# Altium PCB PCB v0.4.PcbDoc (part 1 of 2) (continued)
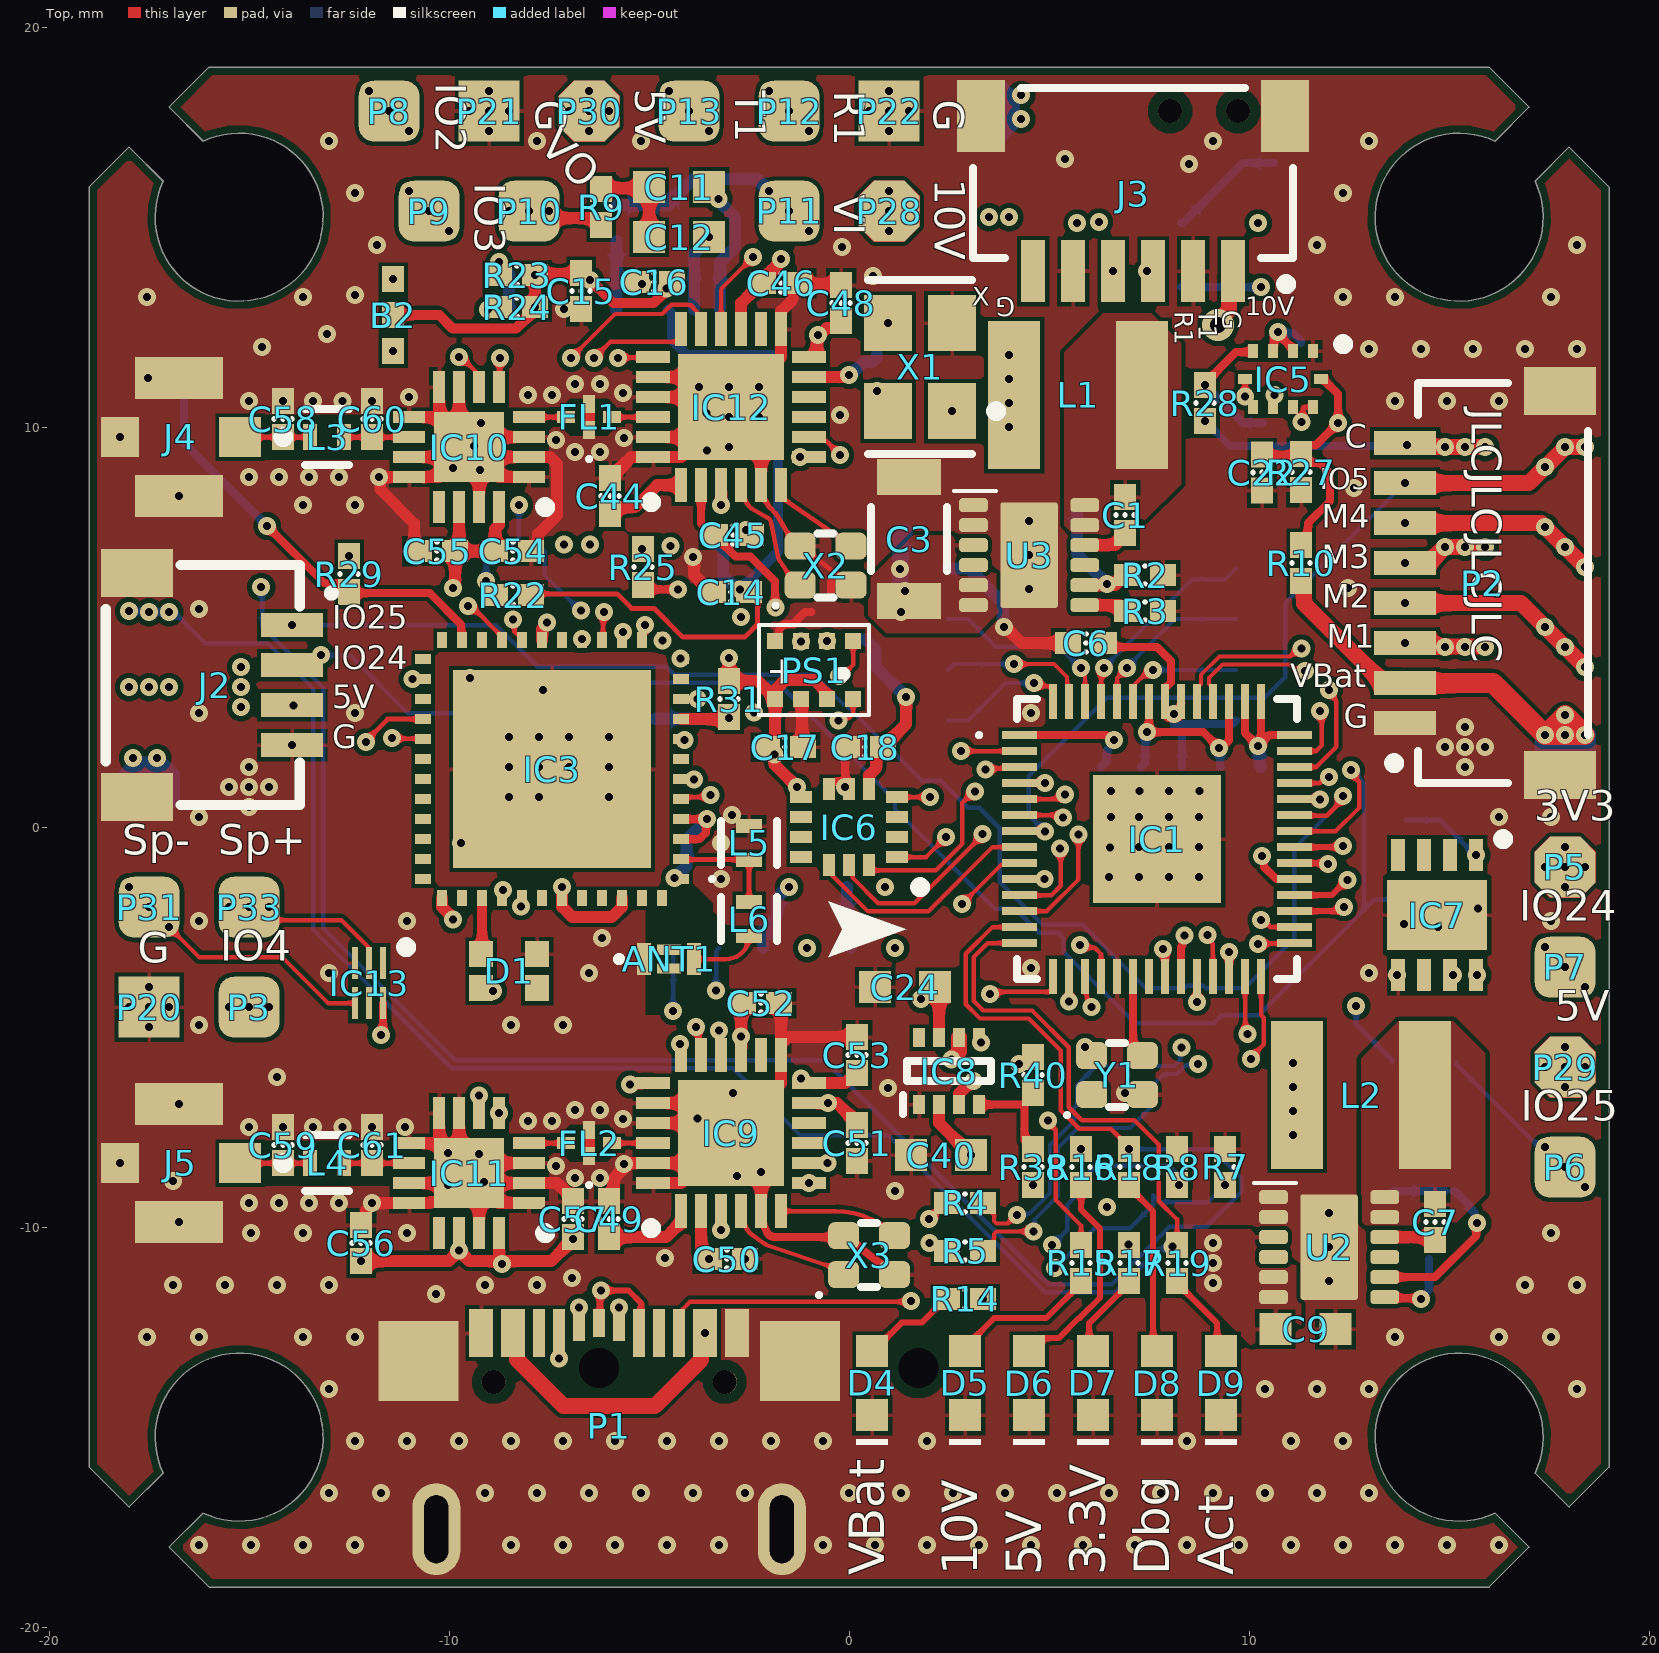
[diagram p0: Top view]
## Components (designator, comment, footprint, x,y, rotation, side; value= is the part's Value field where it differs from the comment) (continued)
P27 "solder pad rounded single sided" "solder pad single sided rounded" 15.4,9.5 r90 bottom
P28 "solder pad chamfered double sided" "solder pad double sided chamfered" 1,15.4 r90 top
P29 "solder pad chamfered double sided" "solder pad double sided chamfered" 17.9,-6 r90 top
P30 "solder pad chamfered double sided" "solder pad double sided chamfered" -6.5,17.9 r90 top
P31 "solder pad rounded double sided" "solder pad double sided rounded - duplicate" -17.5,-2 r270 top
P32 "solder pad chamfered single sided" "solder pad single sided chamfered" 17.9,2 r90 bottom
P33 "solder pad rounded double sided" "solder pad double sided rounded - duplicate" -15,-2 r270 top
P34 "solder pad rounded single sided" "solder pad single sided rounded" -15,6 r180 bottom
P35 "solder pad rounded single sided" "solder pad single sided rounded" 6,15 r90 bottom
P36 "solder pad rounded single sided" "solder pad single sided rounded" -17.5,6 r90 bottom
P37 "solder pad rounded single sided" "solder pad single sided rounded" 3.5,15.4 r90 bottom
PS1 "Pressure Sensor" "Goertek SPL06-001" -1.85,4.65 r0 top
R1 "90K9" "0402 resistor" 5.7,8.5 r90 bottom
R2 "10K" "0402 resistor" 7.4,6.3 r180 top
R3 "21K5" "0402 resistor" 7.4,5.4 r180 top
R4 "27R" "0402 resistor" 2.9,-9.4 r0 top
R5 "27R" "0402 resistor" 2.9,-10.6 r0 top
R6 "10K" RESC0603(1608)_N 10.2,14.3 r90 bottom
R7 "5K1" "0402 resistor" 9.4,-8.5 r270 top
R8 "5K1" "0402 resistor" 8.2,-8.5 r270 top
R9 "75R" "0402 resistor" -6.2,15.5 r90 top
R10 "100K" "0402 resistor" 11.3,6.6 r270 top
R11 "40K2" RESC0603(1608)_N 13.6,-8.3 r90 bottom
R12 "10K" RESC0603(1608)_N 15.1,-8.3 r270 bottom
R13 "22K6" RESC0603(1608)_N 15.3,-10.8 r180 bottom
R14 "15K" "0402 resistor" 2.9,-11.8 r0 top
R15 "8K2" "0402 resistor" 5.8,-10.9 r90 top
R16 "3K3" "0402 resistor" 5.8,-8.5 r90 top
R17 "1K" "0402 resistor" 7,-10.9 r90 top
R18 "470R" "0402 resistor" 7,-8.5 r90 top
R19 "470R" "0402 resistor" 8.2,-10.9 r90 top
R20 "1K" RESC0603(1608)_N 8.3,14.3 r270 bottom
R21 "75R" "0402 resistor" -4.5,15.1 r270 bottom
R22 "1K" "0402 resistor" -8.4,5.8 r0 top
R23 "1K" "0402 resistor" -8.3,13.8 r0 top
R24 "1K" "0402 resistor" -8.3,13 r0 top
R25 "0R" "0402 resistor" -5.15,6.5 r90 top
R26 "4K7" RESC0603(1608)_N 13.925,-0.625 r90 bottom
R27 "10K" "0402 resistor" 11.3,8.875 r90 top
R28 "10K" "0402 resistor" 8.9,10.6 r270 top
R29 "10K" "0402 resistor" -12.5,6.325 r90 top
R30 "4K7" RESC0603(1608)_N 14.375,-5.875 r180 bottom
R31 "1K" "0402 resistor" -3,3.2 r90 top
R38 "47K" "0402 resistor" 4.6,-8.5 r90 top
R40 "47K" "0402 resistor" 4.6,-6.2 r270 top
S1 "Tactile Switch" "Tactile Switch"#1 8.875,16.6 r0 bottom
S2 "Tactile Switch" "Tactile Switch"#2 -16.625,9.7 r270 bottom
U2 "2.5A Step Down QFN synchronous" LMR38025 12,-10.5 r0 top
U3 "2.5A Step Down QFN synchronous" LMR38025 4.5,6.8 r0 top
X1 "NX3225SA-12.000M-STD-CRS-2" FP-NX3225SA-MFG 1.775,11.5 r90 top
X2 "52MHz Crystal" "2016 Crystal" -0.587,6.536 r0 top
X3 "52MHz Crystal" "2016 Crystal" 0.5,-10.7 r0 top
Y1 "2016 Oscillator" "2016 Oscillator" 6.7,-6.2 r0 top

## Footprints (in the part's own frame and the unit in brackets; to place one, negate y for a bottom-side part, rotate by r counter-clockwise, add the part's x,y. Pads: shape width x height; smd on the part's side, far side on the other; paste and mask are expansions set on the pad)
"0402 cap" [mm]
  rect 0.65x0.55 smd: 1(-0.45,0) 2(0.45,0)
  silkscreen extent -0.01,-0.23 0.01,0.23, body extent -0.5,-0.25 0.5,0.25, height 0.35
"0402 resistor" [mm]
  rect 0.65x0.55 smd: 1(-0.45,0) 2(0.45,0)
  silkscreen extent -0.01,-0.23 0.01,0.23, body extent -0.5,-0.25 0.5,0.25, height 0.35
"0402 triple Solderbridge" [mm]
  rect 0.65x0.55 smd: 1(0,0) 2(0.9,0) 3(-0.9,0)
"2016 Crystal" [mm]
  rrect50% 0.775x0.675 smd: 1(-0.637,-0.487) 2(0.637,-0.487) 3(0.637,0.487) 4(-0.637,0.487)
  silkscreen extent -1.3,-1.05 0.2,0.8, body extent -1,-0.8 1,0.8, height 0.99
"2016 Oscillator" [mm]
  rrect50% 0.775x0.675 smd: 1(-0.637,-0.487) 2(0.637,-0.487) 3(0.637,0.487) 4(-0.637,0.487)
  silkscreen extent -1.3,-1.05 0.2,0.8, body extent -1,-0.8 1,0.8, height 0.99
AMPH-A-1JB_V [mm] "SMD, 4-Leads, Body 2.6x2.6mm"
  rect 1.05x1 smd: 1(-1.525,0)
  rect 2.2x1.05 smd: 2(0,-1.475) 4(0,1.475)
  rect 0.95x1 smd: 3(1.475,0)
  silkscreen extent -2.73,-0.12 -2.48,0.12, body extent -1.3,-1.3 1.3,1.3, height 1.35
ANT016008LCS2442MA2 [mm]
  rect 0.35x0.8 smd: 1(-0.625,0) 4(0.625,0)
  rect 0.6x0.26 smd: 2(0,-0.235) 6(0,0.235)
  silkscreen extent -1.3,-0.05 -1.2,0.05, body extent -0.85,-0.45 0.85,0.45, height 0.4
ESP32PICOV3 [mm]
  rect 0.4x0.25 smd: 1(-3.225,2.75) 2(-3.225,2.25) 3(-3.225,1.75) 4(-3.225,1.25) 5(-3.225,0.75) 6(-3.225,0.25) 7(-3.225,-0.25) 8(-3.225,-0.75) 9(-3.225,-1.25) 10(-3.225,-1.75) 11(-3.225,-2.25) 12(-3.225,-2.75) 25(3.225,-2.75) 26(3.225,-2.25) 27(3.225,-1.75) 28(3.225,-1.25) 29(3.225,-0.75) 30(3.225,-0.25) 31(3.225,0.25) 32(3.225,0.75) 33(3.225,1.25) 34(3.225,1.75) 35(3.225,2.25) 36(3.225,2.75)
  rect 0.25x0.4 smd: 13(-2.75,-3.225) 14(-2.25,-3.225) 15(-1.75,-3.225) 16(-1.25,-3.225) 17(-0.75,-3.225) 18(-0.25,-3.225) 19(0.25,-3.225) 20(0.75,-3.225) 21(1.25,-3.225) 22(1.75,-3.225) 23(2.25,-3.225) 24(2.75,-3.225) 37(2.75,3.225) 38(2.25,3.225) 39(1.75,3.225) 40(1.25,3.225) 41(0.75,3.225) 42(0.25,3.225) 43(-0.25,3.225) 44(-0.75,3.225) 45(-1.25,3.225) 46(-1.75,3.225) 47(-2.25,3.225) 48(-2.75,3.225)
  rect 4.95x4.95 smd: 49(0,0)
  silkscreen extent -4.05,2.7 -3.95,2.8, body extent -3.5,-3.5 3.5,3.5, height 0.94
FP-LQW15AN_00-W0_6-0_1-MFG [mm]
  rect 0.35x0.65 smd paste+0 mask+0: 1(-0.425,0) 2(0.425,0)
  silkscreen extent -0.55,-0.7 0.55,0.7, body extent -0.7,-0.45 0.7,0.45, height 0.25
FP-NX3225SA-MFG [mm]
  rect 1.4x1.2 smd paste+0 mask+0: 1(-1.1,-0.8) 2(1.1,-0.8) 3(1.1,0.8) 4(-1.1,0.8)
  silkscreen extent -2.17,-2.02 2.17,1.3, body extent -1.6,-1.25 1.6,1.25, height 0.6
FP-SOT23-MFG [mm]
  rect 0.7x0.6 smd paste-1000 mask+0: 1(-1,0.95) 2(-1,-0.95) 3(1,0)
  silkscreen extent -0.7,-1.5 0.7,1.5, body extent -1.15,-1.45 1.15,1.45, height 1.1
"Goertek SPL06-001" [mm]
  rect 0.4x0.4 smd: 1(0,0) 2(0.65,0) 3(1.3,0) 4(1.95,0) 5(1.95,-1.45) 6(1.3,-1.45) 7(0.65,-1.45) 8(0,-1.45)
  silkscreen extent -0.4,-1.85 2.35,0.4, body extent -0.28,-1.73 2.22,0.28, height 0.95
GT-USB-7047B [mm]
  rect 0.6x1.2 smd: 1(-3.2,4.9) 2(-2.4,4.9) 11(2.4,4.9) 12(3.2,4.9)
  rect 0.3x1.2 smd: 3(-1.75,4.9) 4(-1.25,4.9) 8(0.75,4.9) 9(1.25,4.9) 10(1.75,4.9)
  rect 0.3x0.8 smd: 5(-0.75,5.1) 7(0.25,5.1)
  rect 0.3x0.7 smd: 6(-0.25,5.15)
  oval 1.2x2.3 hole 0.6 slot 1.7 at 90 deg: 13(-4.32,0) 14(4.32,0)
  rect 2x2 smd: 15(-4.77,4.2) 16(4.77,4.2)
  round 0.6 hole 0.6 unplated: 17(-2.89,3.68) 17(2.89,3.68)
  body extent -4.3,-1.2 4.4,4.9, height 2.4
JST-SM06B-SRSS-TB_V [mm] "SMD, 6-Leads, Body 8x4.25mm, Pitch 1mm"
  rect 0.6x1.55 smd: 1(-2.5,2.45) 2(-1.5,2.45) 3(-0.5,2.45) 4(0.5,2.45) 5(1.5,2.45) 6(2.5,2.45)
  rect 1.2x1.8 smd: MP1(-3.8,-1.425) MP2(3.8,-1.425)
  silkscreen extent -4,-2.12 4,2.9, body extent -4,-2.12 4,2.83, height 2.96
JST-SM08B-SRSS-TB_V [mm] "SMD, 8-Leads, Body 10x4.25mm, Pitch 1mm"
  rect 0.6x1.55 smd: 1(-3.5,2.45) 2(-2.5,2.45) 3(-1.5,2.45) 4(-0.5,2.45) 5(0.5,2.45) 6(1.5,2.45) 7(2.5,2.45) 8(3.5,2.45)
  rect 1.2x1.8 smd: MP1(-4.8,-1.425) MP2(4.8,-1.425)
  silkscreen extent -5,-2.12 5,2.85, body extent -5,-2.12 5,2.83, height 2.96
LFL152G45TC1A219 [mm]
  rect 0.3x0.45 smd: 1(0,0.325) 3(0,-0.325)
  rect 0.45x0.3 smd: 2(0.575,0) 4(-0.575,0)
  silkscreen extent -0.05,1 0.05,1.1, body extent -0.77,-0.52 0.77,0.52, height 0.5
LMR38025 [mm] "LMR38025-Q1 SIMPLE SWITCHER® Power Converter, 4.2-V to 80-V, 2.5-A Automotive / Synchronous Buck Converter With 40-µA IQ"
  rrect50% 0.72x0.35 smd mask-0.05: 1(-1.39,1.25) 2(-1.39,0.75) 3(-1.39,0.25) 4(-1.39,-0.25) 5(-1.39,-0.75) 6(-1.39,-1.25) 7(1.39,1.25) 8(1.39,0.75) 9(1.39,0.25) 10(1.39,-0.25) 11(1.39,-0.75) 12(1.39,-1.25)
  rrect10% 1.44x2.64 / inner round 0.45 / far side round 0.45 hole 0.2 mask-0.07: 13(0,0)
  silkscreen extent -1.88,1.6 -0.82,1.6, body extent -1.5,-1.5 1.5,1.5, height 0.75
MAI4020S-4R7MT [mm]
  rect 3.7x1.3 smd: 1(0,1.6) 2(0,-1.6)
  body extent -2,-2 2,2, height 2
"MicroSD TF Card Slot" [mm] "SHOU HAN TF-CARD H1.8"
  rect 0.7x1.6 smd: 1(2.25,10.5) 2(1.15,10.5) 3(0.05,10.5) 4(-1.05,10.5) 5(-2.15,10.5) 6(-3.25,10.5) 7(-4.35,10.5) 8(-5.45,10.5) 9(-6.55,10.5)
  rect 1.2x1.4 smd: 10(-7.75,10)
  rect 1.2x2.2 smd: 11(-7.75,0.4) 12(7.75,0.4)
  rect 1.6x1.4 smd: 13(6.85,10)
  round 0 hole 1: x(-4.93,0) x(3.05,0)
  body extent -7.3,-9.3 7.4,10.5, height 1.8
QFN50P150X200X40-10N [mm]
  rect 0.35x0.25 smd: 1(-0.7,0.75) 2(-0.7,0.25) 3(-0.7,-0.25) 4(-0.7,-0.75) 6(0.7,-0.75) 7(0.7,-0.25) 8(0.7,0.25) 9(0.7,0.75)
  rect 0.25x0.35 smd: 5(0,-0.95) 10(0,0.95)
  silkscreen extent -1,1.38 -0.75,1.63, body extent -0.75,-1 0.75,1, height 0.4
QFN50P300X250X87-14N [mm]
  rect 0.55x0.3 smd: 1(-1.2,0.75) 2(-1.2,0.25) 3(-1.2,-0.25) 4(-1.2,-0.75) 8(1.2,-0.75) 9(1.2,-0.25) 10(1.2,0.25) 11(1.2,0.75)
  rect 0.3x0.55 smd: 5(-0.5,-0.95) 6(0,-0.95) 7(0.5,-0.95) 12(0.5,0.95) 13(0,0.95) 14(-0.5,0.95)
  silkscreen extent -1.9,1.38 -1.65,1.62, body extent -1.55,-1.3 1.55,1.3, height 0.87
QFN50P300X300X60-17N-D [mm]
  rect 0.8x0.3 smd: 1(-1.5,0.75) 2(-1.5,0.25) 3(-1.5,-0.25) 4(-1.5,-0.75) 9(1.5,-0.75) 10(1.5,-0.25) 11(1.5,0.25) 12(1.5,0.75)
  rect 0.3x0.8 smd: 5(-0.75,-1.5) 6(-0.25,-1.5) 7(0.25,-1.5) 8(0.75,-1.5) 13(0.75,1.5) 14(0.25,1.5) 15(-0.25,1.5) 16(-0.75,1.5)
  rect 1.75x1.75 smd: 17(0,0)
  silkscreen extent -2.02,1.38 -1.78,1.62, body extent -1.55,-1.55 1.55,1.55, height 0.6
QFN50P400X400X100-25N-D [mm]
  rect 0.85x0.3 smd: 1(-1.95,1.25) 2(-1.95,0.75) 3(-1.95,0.25) 4(-1.95,-0.25) 5(-1.95,-0.75) 6(-1.95,-1.25) 13(1.95,-1.25) 14(1.95,-0.75) 15(1.95,-0.25) 16(1.95,0.25) 17(1.95,0.75) 18(1.95,1.25)
  rect 0.3x0.85 smd: 7(-1.25,-1.95) 8(-0.75,-1.95) 9(-0.25,-1.95) 10(0.25,-1.95) 11(0.75,-1.95) 12(1.25,-1.95) 19(1.25,1.95) 20(0.75,1.95) 21(0.25,1.95) 22(-0.25,1.95) 23(-0.75,1.95) 24(-1.25,1.95)
  rect 2.65x2.65 smd: 25(0,0)
  silkscreen extent -2.5,1.88 -2.25,2.12, body extent -2.05,-2.05 2.05,2.05, height 1
RESC0603(1608)_N [mm] "Chip Resistor, Body 1.6x0.8mm, IPC Medium Density"
  rect 0.9x1 smd: 1(-0.8,0) 2(0.8,0)
  silkscreen extent -0.05,-0.4 0.05,0.4, body extent -0.85,-0.47 0.85,0.47, height 0.6
SC091413 [mm]
  rect 0.875x0.2 smd: 1(-3.438,2.6) 2(-3.438,2.2) 3(-3.438,1.8) 4(-3.438,1.4) 5(-3.438,1) 6(-3.438,0.6) 7(-3.438,0.2) 8(-3.438,-0.2) 9(-3.438,-0.6) 10(-3.438,-1) 11(-3.438,-1.4) 12(-3.438,-1.8) 13(-3.438,-2.2) 14(-3.438,-2.6) 29(3.438,-2.6) 30(3.438,-2.2) 31(3.438,-1.8) 32(3.438,-1.4) 33(3.438,-1) 34(3.438,-0.6) 35(3.438,-0.2) 36(3.438,0.2) 37(3.438,0.6) 38(3.438,1) 39(3.438,1.4) 40(3.438,1.8) 41(3.438,2.2) 42(3.438,2.6)
  rect 0.2x0.875 smd: 15(-2.6,-3.438) 16(-2.2,-3.438) 17(-1.8,-3.438) 18(-1.4,-3.438) 19(-1,-3.438) 20(-0.6,-3.438) 21(-0.2,-3.438) 22(0.2,-3.438) 23(0.6,-3.438) 24(1,-3.438) 25(1.4,-3.438) 26(1.8,-3.438) 27(2.2,-3.438) 28(2.6,-3.438) 43(2.6,3.438) 44(2.2,3.438) 45(1.8,3.438) 46(1.4,3.438) 47(1,3.438) 48(0.6,3.438) 49(0.2,3.438) 50(-0.2,3.438) 51(-0.6,3.438) 52(-1,3.438) 53(-1.4,3.438) 54(-1.8,3.438) 55(-2.2,3.438) 56(-2.6,3.438)
  rect 3.2x3.2 smd: 57(0,0)
  silkscreen extent -4.5,-3.5 3.5,3.5, body extent -3.86,-3.86 3.86,3.86, height 1
SM04B-SRSS-TB(LFSN) [mm]
  rect 0.6x1.55 smd: 1(1.5,4.661) 2(2.5,4.661) 3(3.5,4.661) 4(4.5,4.661)
  rect 1.2x1.8 smd: 5(0.2,0.786) 6(5.8,0.786)
  silkscreen extent 0,0 6,5.7, body extent 0,0.28 6,5.23, height 2.97
SOIC127P790X216-8N [mm]
  rect 1.65x0.65 smd: 1(-3.6,1.905) 2(-3.6,0.635) 3(-3.6,-0.635) 4(-3.6,-1.905) 5(3.6,-1.905) 6(3.6,-0.635) 7(3.6,0.635) 8(3.6,1.905)
  silkscreen extent -4.43,-2.64 2.42,2.64, body extent -3.95,-2.64 3.95,2.64, height 2.16
"solder pad double sided chamfered" [mil]
  oct 60x60 smd: 1(0,0)
  round 1 smd far side: 2(0,0)
  Top region: -15,-30 -30,-15 -30,15 -15,30 15,30 30,15 30,-15 15,-30
  Bottom region: -15,-30 -30,-15 -30,15 -15,30 15,30 30,15 30,-15 15,-30
"solder pad double sided rounded - duplicate" [mil]
  rrect50% 60x60 smd: 1(0,0)
  rrect50% 60x60 smd far side: 2(0,0)
"solder pad double sided square" [mil]
  rect 60x60 smd: 1(0,0)
  rect 60x60 smd far side: 2(0,0)
"solder pad single sided chamfered" [mil]
  round 1 smd: 1(0,0)
  Top region: -15,-30 -30,-15 -30,15 -15,30 15,30 30,15 30,-15 15,-30
"solder pad single sided rounded" [mil]
  rrect50% 60x60 smd: 1(0,0)
"solder pad single sided square" [mil]
  rect 60x60 smd: 1(0,0)
SON35P100X100X40-6N [mm]
  rect 0.8x0.15 smd: 1(-0.5,0.35) 2(-0.5,0) 3(-0.5,-0.35) 4(0.5,-0.35) 5(0.5,0) 6(0.5,0.35)
  silkscreen extent -1.02,0.8 -0.78,1.05, body extent -0.5,-0.51 0.5,0.49, height 0.48
SON65P300X300X100-9N-D [mm]
  rect 0.8x0.35 smd: 1(-1.5,0.975) 2(-1.5,0.325) 3(-1.5,-0.325) 4(-1.5,-0.975) 5(1.5,-0.975) 6(1.5,-0.325) 7(1.5,0.325) 8(1.5,0.975)
  rect 1.75x2.5 smd: 9(0,0)
  silkscreen extent -2.02,1.53 -1.78,1.78, body extent -1.5,-1.5 1.5,1.5, height 1
SOP65P640X120-29N [mm]
  rect 1.375x0.45 smd: 3(-2.988,2.925)
  rect 1.475x0.45 smd: 4(-2.938,2.275) 5(-2.938,1.625) 6(-2.938,0.975) 7(-2.938,0.325) 8(-2.938,-0.325) 9(-2.938,-0.975) 10(-2.938,-1.625) 11(-2.938,-2.275) 12(-2.938,-2.925) 13(-2.938,-3.575) 14(-2.938,-4.225) 15(2.938,-4.225) 16(2.938,-3.575) 17(2.938,-2.925) 18(2.938,-2.275) 19(2.938,-1.625) 20(2.938,-0.975) 21(2.938,-0.325) 22(2.938,0.325) 23(2.938,0.975) 24(2.938,1.625) 25(2.938,2.275) 26(2.938,2.925) 27(2.938,3.575) 28(2.938,4.225)
  rect 2.75x6.2 smd: 29(0,0)
  silkscreen extent -3.67,4.8 -2.2,4.8, body extent -3.2,-4.85 3.2,4.85, height 1.2
SOTFL50P160X60-8N [mm]
  rect 0.475x0.3 smd: 1(-0.838,0.75) 2(-0.838,0.25) 3(-0.838,-0.25) 4(-0.838,-0.75) 5(0.838,-0.75) 6(0.838,-0.25) 7(0.838,0.25) 8(0.838,0.75)
  silkscreen extent -1.07,-1.05 0.25,1.15, body extent -0.8,-1.05 0.8,1.05, height 0.6
"Tactile Switch"#1 [mm]
  rect 0.7x1.1 smd: 1(-1.75,0) 2(1.75,0)
  rect 0.6x1.2 smd: 3(-2.2,-1.45) 4(2.2,-1.45)
  round 0.6 hole 0.6 unplated: ""(-0.85,-1.3) ""(0.85,-1.3)
"Tactile Switch"#2 [mm]
  rect 0.7x1.1 smd: 1(-1.75,0) 2(1.75,0)
  rect 0.6x1.2 smd: 3(-2.2,1.45) 4(2.2,1.45)
WCAP-CSGP_0402_L1W0.5H0.5 [mm] "Ceramic Capacitors, body 1x0.5mm"
  rect 0.5x0.5 smd: 1(-0.5,0) 2(0.5,0)
  body extent -0.5,-0.25 0.5,0.25, height 0.5
WCAP-CSGP_0603_L1.6W0.8H0.8_Reflow [mm] "Ceramic Capacitors, body 1.6x0.8mm"
  rect 0.8x0.8 smd: 1(-0.75,0) 2(0.75,0)
  body extent -0.8,-0.4 0.8,0.4, height 0.8
WCAP-CSGP_1206_L3.2W1.6H1.6 [mm] "Ceramic Capacitors, body 3.2x1.6mm"
  rect 0.9x1.6 smd: 1(-1.55,0) 2(1.55,0)
  silkscreen extent -0.8,-0.95 0.8,0.95, body extent -1.6,-0.8 1.6,0.8, height 1.6
WCAP-CSGP_1210_L3.2W2.5H2.5 [mm] "Ceramic Capacitors, body 3.2x2.5mm"
  rect 0.9x2.5 smd: 1(-1.55,0) 2(1.55,0)
  silkscreen extent -0.8,-1.4 0.8,1.4, body extent -1.6,-1.25 1.6,1.25, height 2.5
WE-TVS_SOT23-6L [mm] "TVS Diode, package SOT23-6L"
  rect 0.6x1.1 smd: 1(-0.95,-1.25) 2(0,-1.25) 3(0.95,-1.25) 4(0.95,1.25) 5(0,1.25) 6(-0.95,1.25)
  silkscreen extent -1.72,-1.37 1.45,0.45, body extent -1.45,-1.4 1.45,1.4, height 1.16
WL-SMCW_0603_150060xx75000 [mm] "SMD Mono-color Chip LED, body 1.6x0.8mm"
  rect 0.8x0.8 smd: 1(-0.8,0) 2(0.8,0)
  silkscreen extent -1.55,-0.4 -1.4,0.4, body extent -0.8,-0.4 0.8,0.4, height 0.7
WS2812B_1615 [mm]
  rect 0.6x0.65 smd: 1(-0.7,0.425) 2(0.7,0.425) 3(-0.7,-0.425) 4(0.7,-0.425)
  body extent -0.8,-0.75 0.8,0.75, height 0.6

## Part data
ANT1: "Antenna", Manufacturer_Name=TDK, Mouser Part Number=810-ANT168LCS2442MA2, Arrow Part Number=ANT016008LCS2442MA2, Arrow Price/Stock=https://www.arrow.com/en/products/ant016008lcs2442ma2/tdk, Datasheet Link=https://product.tdk.com/system/files/dam/doc/product/rf/rf/antenna/catalog/rf_ant_ant016008lcs2442ma2_summary_en.pdf, Height=0.4mm, Manufacturer_Part_Number=ANT016008LCS2442MA2, Mouser Price/Stock=https://www.mouser.co.uk/ProductDetail/TDK/ANT016008LCS2442MA2?qs=NlTBjZZh8j0h3jcBIFCiDg%3D%3D
C1 C6 C7 C13 C14 C15 C16 C17 C18 C22 C44 C45 C46 C48 C49 C50 C51 C52 C53 C54 C55 C56 C57: library part "Capacitor 0402 100nF"
C2: library part 885012209074, "WCAP-CSGP Multilayer Ceramic Chip Capacitor, General Purpose, size 1210, X7R, 22µF, 25VDC", Capacitance Tolerance=+/10%, Case/Size Code=1210, Insulation Resistance=0.005GΩ, Manufacturer="Wurth Elektronik", Operating Temperature Max=125°C, Operating Temperature Min=-55°C, Rated Voltage (DC)=25V, Capacitance=22µF, Category="Multilayer Ceramic Chip Capacitors", Ceramic Type=X7R, ComponentLink1Description="Website Link", ComponentLink1URL=https://www.we-online.com/redexpert/article/885012209074?ad, ComponentLink2Description="Datasheet Link", ComponentLink2URL=https://www.we-online.com/redexpert/spec/885012209074?ad, Dissipation Factor=10%, Height=2.5mm, Length=3.2mm, Manufacturer Part Number=885012209074, Match Code=WCAP-CSGP, Mount="Surface Mount", Packaging="Tape and Reel", Technical Reference=X7R1210226K025DFCT10000, Width=2.5mm
C3 C10: library part 885012208124, "WCAP-CSGP Multilayer Ceramic Chip Capacitor, General Purpose, size 1206, X7R, 2.2µF, 100VDC", Capacitance Tolerance=+/-10%, Case/Size Code=1206, Insulation Resistance=0.05GΩ, Manufacturer="Wurth Elektronik", Operating Temperature Max=125°C, Operating Temperature Min=-55°C, Rated Voltage (DC)=100V, Capacitance=2.2µF, Category="Multilayer Ceramic Chip Capacitors", Ceramic Type=X7R, ComponentLink1Description="Website Link", ComponentLink1URL=https://www.we-online.com/redexpert/article/885012208124?ad, ComponentLink2Description="Datasheet Link", ComponentLink2URL=https://www.we-online.com/redexpert/spec/885012208124?ad, Dissipation Factor=5%, Height=1.6mm, Length=3.2mm, Manufacturer Part Number=885012208124, Match Code=WCAP-CSGP, Mount="Surface Mount", Packaging="Tape and Reel", Technical Reference=X7R1206225K100DFCT10000, Width=1.6mm
C4 C5 C9 C19 C28 C29 C30 C31 C32 C33 C34 C35 C36 C47 C62: library part 885012206095, "WCAP-CSGP Multilayer Ceramic Chip Capacitor, General Purpose, size 0603, X7R, 100nF, 50VDC", Capacitance Tolerance=+/-10%, Case/Size Code=0603, Insulation Resistance=5GΩ, Manufacturer="Wurth Elektronik", Operating Temperature Max=125°C, Operating Temperature Min=-55°C, Rated Voltage (DC)=50V, Capacitance=100nF, Category="Multilayer Ceramic Chip Capacitors", Ceramic Type=X7R, ComponentLink1Description="Website Link", ComponentLink1URL=https://www.we-online.com/redexpert/article/885012206095?ad, ComponentLink2Description="Datasheet Link", ComponentLink2URL=https://www.we-online.com/redexpert/spec/885012206095?ad, Dissipation Factor=3%, Height=0.8mm, Length=1.6mm, Manufacturer Part Number=885012206095, Match Code=WCAP-CSGP, Mount="Surface Mount", Packaging="Tape and Reel", Technical Reference=X7R0603104K050DFCT10000, Width=0.8mm
C8: library part 885012108012, "WCAP-CSGP Multilayer Ceramic Chip Capacitor, General Purpose, size 1206, X5R, 47µF, 10VDC", Capacitance Tolerance=+/-20%, Case/Size Code=1206, Insulation Resistance=0.002GΩ, Manufacturer="Wurth Elektronik", Operating Temperature Max=85°C, Operating Temperature Min=-55°C, Rated Voltage (DC)=10V, Capacitance=47µF, Category="Multilayer Ceramic Chip Capacitors", Ceramic Type=X5R, ComponentLink1Description="Website Link", ComponentLink1URL=https://www.we-online.com/redexpert/article/885012108012?ad, ComponentLink2Description="Datasheet Link", ComponentLink2URL=https://www.we-online.com/redexpert/spec/885012108012?ad, Dissipation Factor=10%, Height=1.6mm, Length=3.2mm, Manufacturer Part Number=885012108012, Match Code=WCAP-CSGP, Mount="Surface Mount", Packaging="Tape and Reel", Technical Reference=X5R1206476M010DFCT10000, Width=1.6mm
C11 C12 C43: library part 885012106031, "WCAP-CSGP Multilayer Ceramic Chip Capacitor, General Purpose, size 0603, X5R, 10µF, 25VDC", Capacitance Tolerance=+/20%, Case/Size Code=0603, Insulation Resistance=0.01GΩ, Manufacturer="Wurth Elektronik", Operating Temperature Max=85°C, Operating Temperature Min=-55°C, Rated Voltage (DC)=25V, Capacitance=10µF, Category="Multilayer Ceramic Chip Capacitors", Ceramic Type=X5R, ComponentLink1Description="Website Link", ComponentLink1URL=https://www.we-online.com/redexpert/article/885012106031?ad, ComponentLink2Description="Datasheet Link", ComponentLink2URL=https://www.we-online.com/redexpert/spec/885012106031?ad, Dissipation Factor=20%, Height=0.8mm, Length=1.6mm, Manufacturer Part Number=885012106031, Match Code=WCAP-CSGP, Mount="Surface Mount", Packaging="Tape and Reel", Technical Reference=X5R0603106M025DFCT10000, Width=0.8mm
C20 C21: library part 885012206026, "WCAP-CSGP Multilayer Ceramic Chip Capacitor, General Purpose, size 0603, X7R, 1µF, 10VDC", Capacitance Tolerance=+/-10%, Case/Size Code=0603, Insulation Resistance=0.1GΩ, Manufacturer="Wurth Elektronik", Operating Temperature Max=125°C, Operating Temperature Min=-55°C, Rated Voltage (DC)=10V, Capacitance=1µF, Category="Multilayer Ceramic Chip Capacitors", Ceramic Type=X7R, ComponentLink1Description="Website Link", ComponentLink1URL=https://www.we-online.com/redexpert/article/885012206026?ad, ComponentLink2Description="Datasheet Link", ComponentLink2URL=https://www.we-online.com/redexpert/spec/885012206026?ad, Dissipation Factor=10%, Height=0.8mm, Length=1.6mm, Manufacturer Part Number=885012206026, Match Code=WCAP-CSGP, Mount="Surface Mount", Packaging="Tape and Reel", Technical Reference=X7R0603105K010DFCT10000, Width=0.8mm
C23 C25 C26 C27 C39: library part 885012205086, "WCAP-CSGP Multilayer Ceramic Chip Capacitor, General Purpose, size 0402, X7R, 100nF, 50VDC", Capacitance Tolerance=+/-10%, Case/Size Code=0402, Insulation Resistance=0.5GΩ, Manufacturer="Wurth Elektronik", Operating Temperature Max=125°C, Operating Temperature Min=-55°C, Rated Voltage (DC)=50V, Capacitance=100nF, Category="Multilayer Ceramic Chip Capacitors", Ceramic Type=X7R, ComponentLink1Description="Website Link", ComponentLink1URL=https://www.we-online.com/redexpert/article/885012205086?ad, ComponentLink2Description="Datasheet Link", ComponentLink2URL=https://www.we-online.com/redexpert/spec/885012205086?ad, Dissipation Factor=10%, Height=0.5mm, Length=1mm, Manufacturer Part Number=885012205086, Match Code=WCAP-CSGP, Mount="Surface Mount", Packaging="Tape and Reel", Technical Reference=X7R0402104K050DFCT10000, Width=0.5mm